# Altium PCB POVRotor.PcbDoc (part 1 of 2) (continued)
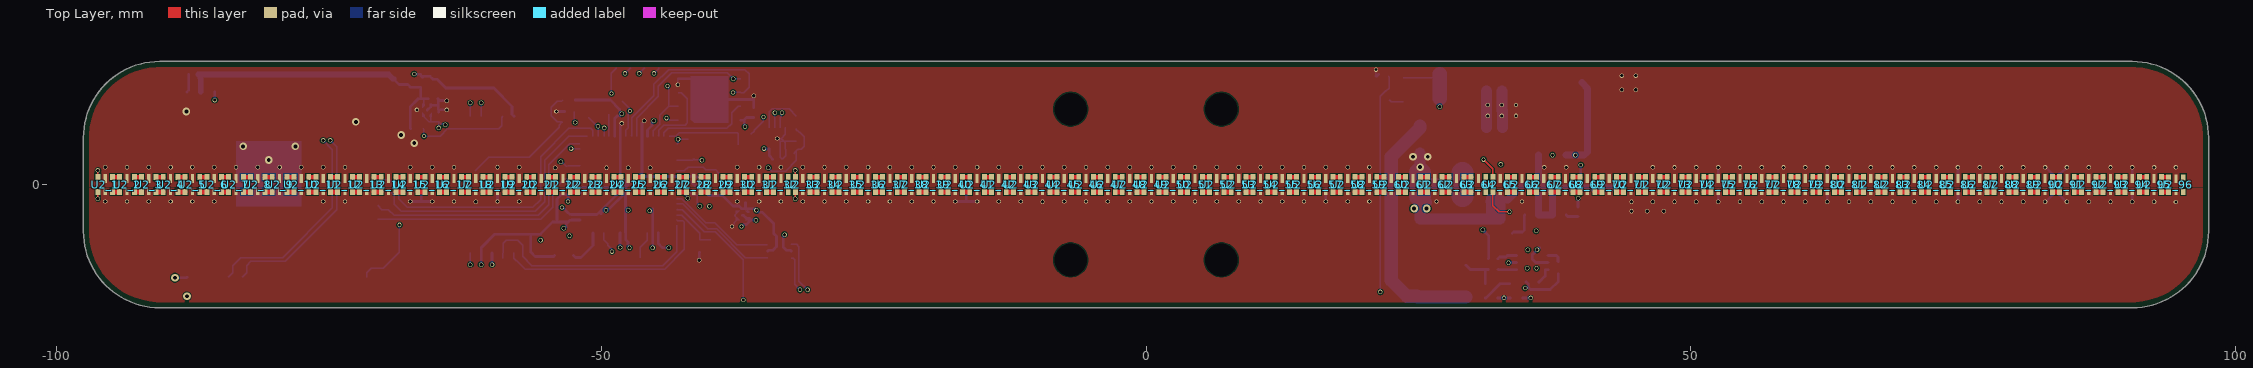
[diagram p0: Top Layer view]
## Components (designator, comment, footprint, x,y, rotation, side; value= is the part's Value field where it differs from the comment) (continued)
U2_55 "APA 102 2020" LED_APA-102-1515 12.5,0 r180 top (schematic designator U2)
U2_56 "APA 102 2020" LED_APA-102-1515 14.5,0 r180 top (schematic designator U2)
U2_57 "APA 102 2020" LED_APA-102-1515 16.5,0 r180 top (schematic designator U2)
U2_58 "APA 102 2020" LED_APA-102-1515 18.5,0 r180 top (schematic designator U2)
U2_59 "APA 102 2020" LED_APA-102-1515 20.5,0 r180 top (schematic designator U2)
U2_60 "APA 102 2020" LED_APA-102-1515 22.5,0 r180 top (schematic designator U2)
U2_61 "APA 102 2020" LED_APA-102-1515 24.5,0 r180 top (schematic designator U2)
U2_62 "APA 102 2020" LED_APA-102-1515 26.5,0 r180 top (schematic designator U2)
U2_63 "APA 102 2020" LED_APA-102-1515 28.5,0 r180 top (schematic designator U2)
U2_64 "APA 102 2020" LED_APA-102-1515 30.5,0 r180 top (schematic designator U2)
U2_65 "APA 102 2020" LED_APA-102-1515 32.5,0 r180 top (schematic designator U2)
U2_66 "APA 102 2020" LED_APA-102-1515 34.5,0 r180 top (schematic designator U2)
U2_67 "APA 102 2020" LED_APA-102-1515 36.5,0 r180 top (schematic designator U2)
U2_68 "APA 102 2020" LED_APA-102-1515 38.5,0 r180 top (schematic designator U2)
U2_69 "APA 102 2020" LED_APA-102-1515 40.5,0 r180 top (schematic designator U2)
U2_70 "APA 102 2020" LED_APA-102-1515 42.5,0 r180 top (schematic designator U2)
U2_71 "APA 102 2020" LED_APA-102-1515 44.5,0 r180 top (schematic designator U2)
U2_72 "APA 102 2020" LED_APA-102-1515 46.5,0 r180 top (schematic designator U2)
U2_73 "APA 102 2020" LED_APA-102-1515 48.5,0 r180 top (schematic designator U2)
U2_74 "APA 102 2020" LED_APA-102-1515 50.5,0 r180 top (schematic designator U2)
U2_75 "APA 102 2020" LED_APA-102-1515 52.5,0 r180 top (schematic designator U2)
U2_76 "APA 102 2020" LED_APA-102-1515 54.5,0 r180 top (schematic designator U2)
U2_77 "APA 102 2020" LED_APA-102-1515 56.5,0 r180 top (schematic designator U2)
U2_78 "APA 102 2020" LED_APA-102-1515 58.5,0 r180 top (schematic designator U2)
U2_79 "APA 102 2020" LED_APA-102-1515 60.5,0 r180 top (schematic designator U2)
U2_80 "APA 102 2020" LED_APA-102-1515 62.5,0 r180 top (schematic designator U2)
U2_81 "APA 102 2020" LED_APA-102-1515 64.5,0 r180 top (schematic designator U2)
U2_82 "APA 102 2020" LED_APA-102-1515 66.5,0 r180 top (schematic designator U2)
U2_83 "APA 102 2020" LED_APA-102-1515 68.5,0 r180 top (schematic designator U2)
U2_84 "APA 102 2020" LED_APA-102-1515 70.5,0 r180 top (schematic designator U2)
U2_85 "APA 102 2020" LED_APA-102-1515 72.5,0 r180 top (schematic designator U2)
U2_86 "APA 102 2020" LED_APA-102-1515 74.5,0 r180 top (schematic designator U2)
U2_87 "APA 102 2020" LED_APA-102-1515 76.5,0 r180 top (schematic designator U2)
U2_88 "APA 102 2020" LED_APA-102-1515 78.5,0 r180 top (schematic designator U2)
U2_89 "APA 102 2020" LED_APA-102-1515 80.5,0 r180 top (schematic designator U2)
U2_90 "APA 102 2020" LED_APA-102-1515 82.5,0 r180 top (schematic designator U2)
U2_91 "APA 102 2020" LED_APA-102-1515 84.5,0 r180 top (schematic designator U2)
U2_92 "APA 102 2020" LED_APA-102-1515 86.5,0 r180 top (schematic designator U2)
U2_93 "APA 102 2020" LED_APA-102-1515 88.5,0 r180 top (schematic designator U2)
U2_94 "APA 102 2020" LED_APA-102-1515 90.5,0 r180 top (schematic designator U2)
U2_95 "APA 102 2020" LED_APA-102-1515 92.5,0 r180 top (schematic designator U2)
U2_96 "APA 102 2020" LED_APA-102-1515 94.5,-0.025 r180 top (schematic designator U2)
U3 "TC7PZ17FU" SOT-363 -33.6,-6.1 r270 bottom
U4 "RT6285GSP" "8-SOIC Richtek" 36.65,-0.05 r0 bottom
U5 "ESP32" "Espressif ESP32-WROOM-32" -80.49,0 r270 bottom
U5_1 "3.3V LDO" XDFN-4 -65.96,6.82 r270 bottom (schematic designator U5)
U5_2 "3.3V LDO" XDFN-4 -37.02,-2.825 r180 bottom (schematic designator U5)
U6 "MIC4127YML" "VDFN-8 3x3x0.9" 35.437,-6.838 r180 bottom
U7 "INA2180A3IDSGR" SON50P200X200X80-9N -33.825,4.225 r270 bottom
U8 "W25Q128JVPIQ" "WSON-8 6x5 Winbond" -40.05,7.8 r0 bottom
Y1 "27MHz" "ABRACON ASD" -53.4,-5.85 r0 bottom

## Footprints (in the part's own frame and the unit in brackets; to place one, negate y for a bottom-side part, rotate by r counter-clockwise, add the part's x,y. Pads: shape width x height; smd on the part's side, far side on the other; paste and mask are expansions set on the pad)
"8-SOIC Richtek" [mm]
  rrect25% 0.7x1.3 smd: 1(1.905,2.75) 2(0.635,2.75) 3(-0.635,2.75) 4(-1.905,2.75) 5(-1.905,-2.75) 6(-0.635,-2.75) 7(0.635,-2.75) 8(1.905,-2.75)
  rect 3.4x2.4 smd paste-3: 9(0,0)
  silkscreen extent -2.51,-2.4 2.7,3.6, body extent -2.45,-3 2.45,3, height 1
"ABRACON ASD" [mm] "Crystal, 4-Leads, Body 2.00x2.45mm, Pitch 1.65mm, IPC Medium Density"
  rect 0.9x0.8 smd: 1(-0.865,-0.665) 2(0.865,-0.665) 3(0.865,0.665) 4(-0.865,0.665)
  silkscreen extent -1.75,-1.55 1.6,1.4, body extent -1.27,-1.02 1.28,1.03, height 1
"CAP 0402_1005" [mm] "Chip Capacitor, 2-Leads, Body 1.02x0.51mm, IPC Medium Density"
  rect 0.6x0.64 smd: 1(-0.44,0) 2(0.44,0)
  silkscreen extent -1,-0.5 1,0.5, body extent -0.5,-0.26 0.5,0.26, height 0.52
"CAP 0603_1608" [mm] "Chip Capacitor, 2-Leads, Body 1.60x0.80mm, IPC Medium Density"
  rect 0.9x1 smd: 1(-0.675,0) 2(0.675,0)
  silkscreen extent -1.4,-0.7 1.4,0.7, body extent -0.8,-0.41 0.8,0.41, height 0.82
"CAP 0805_2012" [mm] "Chip Capacitor, 2-Leads, Body 2.00x1.20mm, IPC Medium Density"
  rect 1.3x1.4 smd: 1(-0.8,0) 2(0.8,0)
  silkscreen extent -1.7,-0.9 1.7,0.9, body extent -1,-0.64 1,0.64, height 1.26
"CAP 1206_3216 - 0.8MM" [mm] "Chip Capacitor, 2-Leads, Body 3.25x1.60mm, IPC Medium Density"
  rect 1.3x1.8 smd: 1(-1.45,0) 2(1.45,0)
  silkscreen extent -2.37,-1.12 2.37,1.12, body extent -1.6,-0.8 1.6,0.8, height 0.8
"CAP 1210_3225 - 1MM" [mm] "Chip Capacitor, 2-Leads, Body 3.20x2.50mm, IPC Medium Density"
  rect 1.3x2.7 smd: 1(-1.4,0) 2(1.4,0)
  silkscreen extent -2.37,-1.63 2.37,1.63, body extent -1.6,-1.25 1.6,1.25, height 1
"CAP ALSMD 6.6MM H6.1MM" [mm] "Aluminum Electrolytic Capacitor, Body 6.60x6.60x6.10mm, IPC Low Density"
  rect 3.2x1.6 smd: 1(-2.5,0) 2(2.5,0)
  silkscreen extent -3.3,-3.3 3.3,3.3, body extent -3.5,-3.3 3.5,3.3, height 6.1
"DO214AA SMB" [mm] "Molded Diode, 2-Leads, Body 4.31x3.62mm, IPC Medium Density"
  rect 2.45x2.15 smd: 1(-2.15,0) 2(2.15,0)
  silkscreen extent -3.6,-1.8 3.8,1.8, body extent -2.6,-1.8 2.6,1.8, height 2.4
"Espressif ESP32-WROOM-32" [mm] "39-SMD Module"
  rrect10% 2x0.9 smd paste+0 mask+0.05: 1(-8.5,7.51) 2(-8.5,6.24) 3(-8.5,4.97) 4(-8.5,3.7) 5(-8.5,2.43) 6(-8.5,1.16) 7(-8.5,-0.11) 8(-8.5,-1.38) 9(-8.5,-2.65) 10(-8.5,-3.92) 11(-8.5,-5.19) 12(-8.5,-6.46) 13(-8.5,-7.73) 14(-8.5,-9) 25(8.5,-9) 26(8.5,-7.73) 27(8.5,-6.46) 28(8.5,-5.19) 29(8.5,-3.92) 30(8.5,-2.65)
  rrect10% 0.9x2 smd paste+0 mask+0.05: 15(-5.715,-10) 16(-4.445,-10) 17(-3.175,-10) 18(-1.905,-10) 19(-0.635,-10) 20(0.635,-10) 21(1.905,-10) 22(3.175,-10) 23(4.445,-10) 24(5.715,-10)
  rect 2x0.9 smd paste+0 mask+0.05: 31(8.5,-1.38) 32(8.5,-0.11) 33(8.5,1.16) 34(8.5,2.43) 35(8.5,3.7) 36(8.5,4.97) 37(8.5,6.24) 38(8.5,7.51)
  rect 1.33x1.33 smd paste+0 mask+0.05: 39(-2.835,-1.835) 39(-2.835,0) 39(-2.835,1.835) 39(-1,0) 39(-1,-1.835) 39(-1,1.835) 39(0.835,-1.835) 39(0.835,0) 39(0.835,1.835)
  Top Layer region: -4.001,3 1.999,3 1.999,-3 -4.001,-3
  silkscreen extent -10.71,-10.5 9,15, body extent -9,-10.5 9,15, height 3.2
"JST SM05B-SRSS-TB" [mm] "1.0mm pitch/Disconnectable Crimp style connector"
  rect 0.6x1.55 smd: 1(-2,-2.032) 2(-1,-2.032) 3(0,-2.032) 4(1,-2.032) 5(2,-2.032)
  rect 1.2x1.8 smd: M(-3.3,1.843) M(3.3,1.843)
  silkscreen extent -3.53,-2.41 3.53,2.54, body extent -3.5,-2.38 3.5,2.57, height 2.95
"LED 0603_1608 RED" [mm] "Chip Diode, 2-Leads, Body 1.60x0.80mm, IPC Medium Density"
  rect 0.8x0.8 smd: 1(-0.75,0) 2(0.75,0)
  silkscreen extent -1.52,-0.7 1.52,0.7, body extent -0.8,-0.4 0.8,0.4, height 0.53
LED_APA-102-1515 [mm]
  rect 0.3x0.8 smd: 1(0,-0.55)
  rect 0.45x0.55 smd: 2(-0.675,-0.675) 3(-0.675,0.675) 5(0.675,0.675) 6(0.675,-0.675)
  rect 0.3x0.55 smd: 4(0,0.675)
  body extent -0.8,-0.8 0.8,0.8, height 0.9
MPL-AL5050-5R6 [mm]
  rect 1.25x4.7 smd: 1(-1.625,0) 2(1.625,0)
  silkscreen extent -2.75,-2.8 2.75,2.8, body extent -2.75,-2.65 2.75,2.65, height 4.8
QFN50P900X900X100-65N [mm]
  rect 0.86x0.26 smd: 1(-4.435,3.75) 2(-4.435,3.25) 3(-4.435,2.75) 4(-4.435,2.25) 5(-4.435,1.75) 6(-4.435,1.25) 7(-4.435,0.75) 8(-4.435,0.25) 9(-4.435,-0.25) 10(-4.435,-0.75) 11(-4.435,-1.25) 12(-4.435,-1.75) 13(-4.435,-2.25) 14(-4.435,-2.75) 15(-4.435,-3.25) 16(-4.435,-3.75) 33(4.435,-3.75) 34(4.435,-3.25) 35(4.435,-2.75) 36(4.435,-2.25) 37(4.435,-1.75) 38(4.435,-1.25) 39(4.435,-0.75) 40(4.435,-0.25) 41(4.435,0.25) 42(4.435,0.75) 43(4.435,1.25) 44(4.435,1.75) 45(4.435,2.25) 46(4.435,2.75) 47(4.435,3.25) 48(4.435,3.75)
  rect 0.26x0.86 smd: 17(-3.75,-4.435) 18(-3.25,-4.435) 19(-2.75,-4.435) 20(-2.25,-4.435) 21(-1.75,-4.435) 22(-1.25,-4.435) 23(-0.75,-4.435) 24(-0.25,-4.435) 25(0.25,-4.435) 26(0.75,-4.435) 27(1.25,-4.435) 28(1.75,-4.435) 29(2.25,-4.435) 30(2.75,-4.435) 31(3.25,-4.435) 32(3.75,-4.435) 49(3.75,4.435) 50(3.25,4.435) 51(2.75,4.435) 52(2.25,4.435) 53(1.75,4.435) 54(1.25,4.435) 55(0.75,4.435) 56(0.25,4.435) 57(-0.25,4.435) 58(-0.75,4.435) 59(-1.25,4.435) 60(-1.75,4.435) 61(-2.25,4.435) 62(-2.75,4.435) 63(-3.25,4.435) 64(-3.75,4.435)
  rect 6x6 smd: 65(0,0)
  silkscreen extent -5.6,-4.5 4.5,4.5, body extent -4.52,-4.52 4.52,4.52, height 0.9
"RES 0402_1005" [mm] "Chip Resistor, 2-Leads, Body 1.0x0.5mm, IPC Medium Density"
  rect 0.75x0.6 smd: 1(-0.575,0) 2(0.575,0)
  silkscreen extent -1.14,-0.51 1.14,0.51, body extent -0.5,-0.25 0.5,0.25, height 0.35
"RES 0805_2012" [mm] "Chip Resistor, 2-Leads, Body 2.00x1.25mm, IPC Medium Density"
  rect 1.15x1.35 smd: 1(-0.875,0) 2(0.875,0)
  silkscreen extent -1.7,-0.9 1.7,0.9, body extent -1,-0.62 1,0.63, height 0.6
SOD323 [mm] "SOD, 2-Leads, Body 1.25x2.50mm, IPC Medium Density"
  rect 0.625x0.83 smd: 1(-1.112,0) 2(1.112,0)
  silkscreen extent -1.78,-0.8 1.78,0.8, body extent -1.36,-0.63 1.36,0.62, height 1.05
SON50P200X200X80-9N [mm]
  rrect25% 0.74x0.28 smd: 1(-0.985,0.75) 2(-0.985,0.25) 3(-0.985,-0.25) 4(-0.985,-0.75) 5(0.985,-0.75) 6(0.985,-0.25) 7(0.985,0.25) 8(0.985,0.75)
  rect 0.9x1.6 smd paste-2: 9(0,0)
  silkscreen extent -2.02,-1.21 1,1.21, body extent -1,-1 1,1, height 0.75
SOT-363 [mm]
  rect 0.4x0.75 smd: 1(-0.65,-1.05) 2(0,-1.05) 3(0.65,-1.05) 4(0.65,1.05) 5(0,1.05) 6(-0.65,1.05)
  silkscreen extent -1.39,-1.14 -1.21,-0.96, body extent -1,-1.05 1,1.05, height 1
TP [mm]
  round 1.75 smd: 1(0.05,0)
  silkscreen extent -0.87,-0.87 0.87,0.87
"TP  0.8mm" [mm]
  round 0.8 smd: 1(0,0)
"VDFN-8 3x3x0.9" [mm]
  rrect25% 0.85x0.3 smd: 1(-1.45,0.975) 2(-1.45,0.325) 3(-1.45,-0.325) 4(-1.45,-0.975) 5(1.45,-0.975) 6(1.45,-0.325) 7(1.45,0.325) 8(1.45,0.975)
  rect 1.6x2.35 smd paste-2: 9(0,0)
  silkscreen extent -2.36,-1.6 1,1.6, body extent -1.5,-1.5 1.5,1.5, height 0.9
"WSON-8 6x5 Winbond" [mm]
  rect 0.96x0.44 smd: 1(-2.875,1.905) 2(-2.875,0.635) 3(-2.875,-0.635) 4(-2.875,-1.905) 5(2.875,-1.905) 6(2.875,-0.635) 7(2.875,0.635) 8(2.875,1.905)
  round 0.025 smd: 9(0,0)
  Top Layer region: -1.409,2.15 -1.7,1.859 -1.7,-2.15 1.7,-2.15 1.7,2.15
  silkscreen extent -3.4,-2.6 2.5,2.7, body extent -3,-2.5 3,2.5, height 0.8
XDFN-4 [mil]
  round 1 smd mask+2.56: 1(-16.93,12.79) 2(-16.93,-12.79) 3(16.93,-12.79) 4(16.93,12.79)
  rect 18.9x18.9 smd rot 135 mask+2.56: 5(0,0)
  Top Layer region: -16.93,8.65 -9.84,15.75 -9.84,16.93 -24.02,16.93 -24.02,8.65
  Top Layer region: -16.93,-8.65 -9.84,-15.75 -9.84,-16.93 -24.02,-16.93 -24.02,-8.65
  Top Layer region: 16.93,8.65 9.84,15.75 9.84,16.93 24.02,16.93 24.02,8.65
  Top Layer region: 16.93,-8.65 9.84,-15.75 9.84,-16.93 24.02,-16.93 24.02,-8.65
  silkscreen extent -31,-20 20,20, body extent -20,-20 20,20, height 16

## Part data
C1 C2 C3 C4 C5 C6 C7 C18 C19 C21 C22 C23 C25 C26 C27 C28 C30: library part C1005X5R1E104K050BC, "CAP CER 0.1UF 25V X5R 0402", Device Package="0402 (1005 Metric)", Manufacturer="TDK Corporation", Operating Temperature="-55°C ~ 85°C", Supplier Part Number 1=445-4964-1-ND, Temperature Coefficient=X5R, Tolerance=±10%, Voltage - Rated=25V, Applications="General Purpose", Capacitance="0.1 µF", ComponentLink1Description=Datasheet, ComponentLink1URL=https://product.tdk.com/info/en/catalog/datasheets/mlcc_commercial_general_en.pdf?ref_disty=digikey, ComponentLink2Description="DigiKey Link", ComponentLink2URL=https://www.digikey.com/en/products/detail/tdk-corporation/C1005X5R1E104K050BC/2093232, Features="Low ESL", LastUpdated="9/24/2023 7:03:59 PM", Lifecycle Status=Active, Minimum Order=1, Mounting Type="Surface Mount, MLCC", Package / Case="0402 (1005 Metric)", Packaging=TapeAndReel, Part Number=C1005X5R1E104K050BC, Part Status=Active, PartId=34396, Price=0.01, Series=C, Size / Dimension="0.039\" L x 0.020\" W (1.00mm x 0.50mm)", Supplier 1=DigiKey, Thickness (Max)="0.022\" (0.55mm)"
C8 C11 C15 C16 C17: library part C1206C223KBRAC7800, "CAP CER 0.022UF 630V X7R 1206", Capacitance="0.022 µF", Device Package="1206 (3216 Metric)", Manufacturer=KEMET, Operating Temperature="-55°C ~ 125°C", Supplier Part Number 1=399-15097-1-ND, Temperature Coefficient=X7R, Tolerance=±10%, Voltage - Rated=630V, Applications="General Purpose", ComponentLink1Description=Datasheet, ComponentLink1URL=https://api.kemet.com/component-edge/download/datasheet/C1206C223KBRAC7800.pdf, ComponentLink2Description="DigiKey Link", ComponentLink2URL=https://www.digikey.com/en/products/detail/kemet/C1206C223KBRAC7800/7382212, Features="Low ESL, High Voltage", LastUpdated="9/29/2023 7:15:32 PM", Lifecycle Status=Active, Minimum Order=1, Mounting Type="Surface Mount, MLCC", Package / Case="1206 (3216 Metric)", Packaging=TapeAndReel, Part Number=C1206C223KBRAC7800, Part Status=Active, PartId=40769, Price=0.05, Series="SMD Comm X7R HV", Size / Dimension="0.126\" L x 0.063\" W (3.20mm x 1.60mm)", Supplier 1=DigiKey, Thickness (Max)="0.075\" (1.90mm)"
C9_1 C9_2 C10_1 C10_2: library part C0402C104K4RACAUTO, "CAP CER 0.1UF 16V X7R 0402", Capacitance="0.1 µF", Device Package="0402 (1005 Metric)", Manufacturer=KEMET, Operating Temperature="-55°C ~ 125°C", Ratings=AEC-Q200, Supplier Part Number 1=399-6828-1-ND, Temperature Coefficient=X7R, Tolerance=±10%, Voltage - Rated=16V, Applications="Automotive, Bypass, Decoupling", ComponentLink1Description=Datasheet, ComponentLink1URL=https://api.kemet.com/component-edge/download/specsheet/C0402C104K4RACAUTO.pdf, ComponentLink2Description="DigiKey Link", ComponentLink2URL=https://www.digikey.com/en/products/detail/kemet/C0402C104K4RACAUTO/3314827, LastUpdated="8/14/2022 9:05:51 PM", Lifecycle Status=Active, Minimum Order=1, Mounting Type="Surface Mount, MLCC", Package / Case="0402 (1005 Metric)", Packaging=TapeAndReel, Part Number=C0402C104K4RACAUTO, Part Status=Active, PartId=3024, Price=0.01, Series="SMD Auto X7R", Size / Dimension="0.039\" L x 0.020\" W (1.00mm x 0.50mm)", Supplier 1=DigiKey, Thickness (Max)="0.022\" (0.55mm)"
C12 C14 C33 C60 C61: library part 0603ZD226MAT2A, "CAP CER 22UF 10V X5R 0603", Device Package="0603 (1608 Metric)", Manufacturer="KYOCERA AVX", Operating Temperature="-55°C ~ 85°C", Supplier Part Number 1=478-0603ZD226MAT2ACT-ND, Temperature Coefficient=X5R, Tolerance=±20%, Voltage - Rated=10V, Applications="General Purpose", Capacitance="22 µF", ComponentLink2Description="DigiKey Link", ComponentLink2URL=https://www.digikey.com/en/products/detail/kyocera-avx/0603ZD226MAT2A/11268185, LastUpdated="9/24/2023 7:08:40 PM", Lifecycle Status=Active, Minimum Order=1, Mounting Type="Surface Mount, MLCC", Package / Case="0603 (1608 Metric)", Packaging=TapeAndReel, Part Number=0603ZD226MAT2A, Part Status=Active, PartId=35789, Price=0.13, Series=-, Size / Dimension="0.063\" L x 0.032\" W (1.60mm x 0.81mm)", Supplier 1=DigiKey, Thickness (Max)="0.035\" (0.90mm)"
C13: library part EMHL160ARA470MF61G, "ALUMINUM CAPACITOR", Device Package="Radial, Can - SMD", ESR (Equivalent Series Resistance)="1.2Ohm @ 100kHz", Lifetime @ Temp.="2000 Hrs @ 125°C", Manufacturer="United Chemi-Con", Operating Temperature="-40°C ~ 125°C", Ratings=AEC-Q200, Ripple Current @ High Frequency="110mA @ 100kHz", Ripple Current @ Low Frequency="102.3mA @ 120Hz", Supplier Part Number 1=565-EMHL160ARA470MF61GCT-ND, Tolerance=±20%, Voltage - Rated=16V, Applications=Automotive, Capacitance=47µF, ComponentLink1Description=Datasheet, ComponentLink1URL=http://www.chemi-con.co.jp/cgi-bin/CAT_DB/SEARCH/cat_db_al.cgi?e=e&j=p&pdfname=mhl, ComponentLink2Description="DigiKey Link", ComponentLink2URL=http://digikey.com/product-detail/en/united-chemi-con/EMHL160ARA470MF61G/565-EMHL160ARA470MF61GCT-ND/10487181, Height - Seated (Max)="0.240\" (6.10mm)", LastUpdated="9/2/2020 1:25:27 AM", Lifecycle Status=Active, Minimum Order=1, Mounting Type="Surface Mount", Package / Case="Radial, Can - SMD", Packaging=TapeAndReel, Part Number=EMHL160ARA470MF61G, Part Status=Active, PartId=8133, Polarization=Polar, Price=0.15, Series="AIchip™- MHL", Size / Dimension="0.248\" Dia (6.30mm)", Supplier 1=DigiKey, Surface Mount Land Size="0.260\" L x 0.260\" W (6.60mm x 6.60mm)"
C20: library part C0402C104K4RACAUTO, "CAP CER 0.1UF 16V X7R 0402", Device Package="0402 (1005 Metric)", Manufacturer=KEMET, Operating Temperature="-55°C ~ 125°C", Ratings=AEC-Q200, Supplier Part Number 1=399-6828-1-ND, Temperature Coefficient=X7R, Tolerance=±10%, Voltage - Rated=16V, Applications="Automotive, Bypass, Decoupling", Capacitance="0.1 µF", ComponentLink1Description=Datasheet, ComponentLink1URL=https://api.kemet.com/component-edge/download/specsheet/C0402C104K4RACAUTO.pdf, ComponentLink2Description="DigiKey Link", ComponentLink2URL=https://www.digikey.com/en/products/detail/kemet/C0402C104K4RACAUTO/3314827, LastUpdated="8/14/2022 9:05:51 PM", Lifecycle Status=Active, Minimum Order=1, Mounting Type="Surface Mount, MLCC", Package / Case="0402 (1005 Metric)", Packaging=TapeAndReel, Part Number=C0402C104K4RACAUTO, Part Status=Active, PartId=3024, Price=0.01, Series="SMD Auto X7R", Size / Dimension="0.039\" L x 0.020\" W (1.00mm x 0.50mm)", Supplier 1=DigiKey, Thickness (Max)="0.022\" (0.55mm)"
C24: library part CL21A226MOQNNNE, "CAP CER 22UF 16V X5R 0805", Device Package="0805 (2012 Metric)", Manufacturer="Samsung Electro-Mechanics", Operating Temperature="-55°C ~ 85°C", Supplier Part Number 1=1276-2909-1-ND, Temperature Coefficient=X5R, Tolerance=±20%, Voltage - Rated=16V, Applications="General Purpose", Capacitance=22µF, ComponentLink1Description=Datasheet, ComponentLink1URL=http://www.samsungsem.com/kr/support/product-search/mlcc/CL21A226MOQNNNE.jsp, ComponentLink2Description="DigiKey Link", ComponentLink2URL=http://digikey.com/product-detail/en/samsung-electro-mechanics/CL21A226MOQNNNE/1276-2909-1-ND/3890995, LastUpdated="21-Jan-20 12:03:05 AM", Lifecycle Status=Active, Minimum Order=1, Mounting Type="Surface Mount, MLCC", Package / Case="0805 (2012 Metric)", Packaging=TapeAndReel, Part Number=CL21A226MOQNNNE, Part Status=Active, PartId=3052, Price=0.11, Series=CL, Size / Dimension="0.079\" L x 0.049\" W (2.00mm x 1.25mm)", Supplier 1=DigiKey, Thickness (Max)="0.055\" (1.40mm)"
C29 C31: library part C1005X5R1E104K050BC, "CAP CER 0.1UF 25V X5R 0402", Capacitance="0.1 µF", Device Package="0402 (1005 Metric)", Manufacturer="TDK Corporation", Operating Temperature="-55°C ~ 85°C", Supplier Part Number 1=445-4964-1-ND, Temperature Coefficient=X5R, Tolerance=±10%, Voltage - Rated=25V, Applications="General Purpose", ComponentLink1Description=Datasheet, ComponentLink1URL=https://product.tdk.com/info/en/catalog/datasheets/mlcc_commercial_general_en.pdf?ref_disty=digikey, ComponentLink2Description="DigiKey Link", ComponentLink2URL=https://www.digikey.com/en/products/detail/tdk-corporation/C1005X5R1E104K050BC/2093232, Features="Low ESL", LastUpdated="9/24/2023 7:03:59 PM", Lifecycle Status=Active, Minimum Order=1, Mounting Type="Surface Mount, MLCC", Package / Case="0402 (1005 Metric)", Packaging=TapeAndReel, Part Number=C1005X5R1E104K050BC, Part Status=Active, PartId=34396, Price=0.01, Series=C, Size / Dimension="0.039\" L x 0.020\" W (1.00mm x 0.50mm)", Supplier 1=DigiKey, Thickness (Max)="0.022\" (0.55mm)"
C32: library part C1210X106K050T, "CAP CER 10UF 50V X7R 1210", Device Package="1210 (3225 Metric)", Manufacturer="Holy Stone Enterprise Co., Ltd.", Operating Temperature="-55°C ~ 125°C", Supplier Part Number 1=4587-C1210X106K050TCT-ND, Temperature Coefficient=X7R, Tolerance=±10%, Voltage - Rated=50V, Applications="SMPS Filtering", Capacitance="10 µF", ComponentLink1Description=Datasheet, ComponentLink1URL=https://www.holystonecaps.com/PDF/201612051328350.2017%20HCC%20Series.pdf, ComponentLink2Description="DigiKey Link", ComponentLink2URL=https://www.digikey.com/en/products/detail/holy-stone-enterprise-co-ltd/C1210X106K050T/16894866, LastUpdated="10/13/2023 7:36:52 PM", Lifecycle Status=Active, Minimum Order=1, Mounting Type="Surface Mount, MLCC", Package / Case="1210 (3225 Metric)", Packaging=TapeAndReel, Part Number=C1210X106K050T, Part Status=Active, PartId=39935, Price=0.23, Series=HCC, Size / Dimension="0.126\" L x 0.098\" W (3.20mm x 2.50mm)", Supplier 1=DigiKey, Thickness (Max)="0.087\" (2.20mm)"
C50 C51 C52 C53 C54 C55 C56: library part GRM155R61C105MA12D, "CAP CER 1UF 16V X5R 0402", Device Package="0402 (1005 Metric)", Manufacturer="Murata Electronics", Operating Temperature="-55°C ~ 85°C", Supplier Part Number 1=490-14599-1-ND, Temperature Coefficient=X5R, Tolerance=±20%, Voltage - Rated=16V, Applications="General Purpose", Capacitance="1 µF", ComponentLink1Description=Datasheet, ComponentLink1URL=https://search.murata.co.jp/Ceramy/image/img/A01X/G101/ENG/GRM155R61C105MA12-01.pdf, ComponentLink2Description="DigiKey Link", ComponentLink2URL=https://www.digikey.com/en/products/detail/murata-electronics/GRM155R61C105MA12D/4905131, LastUpdated="9/24/2023 7:04:06 PM", Lifecycle Status=Active, Minimum Order=1, Mounting Type="Surface Mount, MLCC", Package / Case="0402 (1005 Metric)", Packaging=TapeAndReel, Part Number=GRM155R61C105MA12D, Part Status=Active, PartId=10295, Price=0.01, Series=GRM, Size / Dimension="0.039\" L x 0.020\" W (1.00mm x 0.50mm)", Supplier 1=DigiKey, Thickness (Max)="0.022\" (0.55mm)"
D1 D7: library part NSVRB751V40T1G, "DIODE SCHOTTKY 30V 30MA SOD323", Capacitance @ Vr, F="2.5pF @ 1V, 1MHz", Current - Average Rectified (Io)="30mA (DC)", Current - Reverse Leakage @ Vr="500nA @ 30V", Manufacturer="ON Semiconductor", Operating Temperature - Junction="-55°C ~ 150°C", Package / Case="SC-76, SOD-323", Supplier Device Package=SOD-323, Supplier Part Number 1=NSVRB751V40T1GOSCT-ND, Voltage - DC Reverse (Vr) (Max)=40V, Voltage - Forward (Vf) (Max) @ If="370mV @ 1mA", ComponentLink1Description=Datasheet, ComponentLink1URL=https://www.onsemi.com/pub/Collateral/RB751V40T1-D.PDF, ComponentLink2Description="DigiKey Link", ComponentLink2URL=http://digikey.com/product-detail/en/on-semiconductor/NSVRB751V40T1G/NSVRB751V40T1GOSCT-ND/5969287, Diode Type=Schottky, LastUpdated="9/30/2023 8:39:46 PM", Lifecycle Status=Active, Minimum Order=1, Mounting Type="Surface Mount", Packaging=TapeAndReel, Part Number=NSVRB751V40T1G, Part Status=Active, PartId=3084, Price=0.12, Series="Automotive, AEC-Q101", Speed="Small Signal =< 200mA (Io), Any Speed", Supplier 1=DigiKey
D2 D3 D4 D5 D8: "DIODE SCHOTTKY 40V 3A SMB", Current - Average Rectified (Io)=3A, Current - Reverse Leakage @ Vr="20µA @ 40V", Manufacturer=STMicroelectronics, Operating Temperature - Junction="-40°C ~ 150°C", Package / Case="DO-214AA, SMB", Supplier Device Package=SMB, Supplier Part Number 1=497-13432-1-ND, Voltage - DC Reverse (Vr) (Max)=40V, Voltage - Forward (Vf) (Max) @ If="630mV @ 3A", ComponentLink1Description=Datasheet, ComponentLink1URL=http://www.st.com/content/ccc/resource/technical/document/datasheet/9d/f4/fa/9f/2c/39/45/91/CD00270569.pdf/files/CD00270569.pdf/jcr:content/translations/en.CD00270569.pdf, ComponentLink2Description="DigiKey Link", ComponentLink2URL=http://digikey.com/product-detail/en/stmicroelectronics/STPS340UY/497-13432-1-ND/3770079, Diode Type=Schottky, LastUpdated="9/2/2020 1:18:53 AM", Lifecycle Status=Active, Minimum Order=1, Mounting Type="Surface Mount", Packaging=TapeAndReel, Part Number=STPS340UY, Part Status=Active, PartId=1402, Price=0.30, Series="Automotive, AEC-Q101", Speed="Fast Recovery =< 500ns, > 200mA (Io)", Supplier 1=DigiKey
D6: library part 5988010107F, "LED RED CLEAR 0603 SMD", Current - Test=20mA, Device Package="0603 (1608 Metric)", Lens Color=Colorless, Manufacturer=Dialight, Millicandela Rating=60mcd, Supplier Device Package=0603, Supplier Part Number 1=350-2029-1-ND, Voltage - Forward (Vf) (Typ)=2V, Color=Red, ComponentLink1Description=Datasheet, ComponentLink1URL=//media.digikey.com/pdf/Data%20Sheets/Dialight%20PDFs/598_Series_0603_Pkg.pdf, ComponentLink2Description="DigiKey Link", ComponentLink2URL=https://www.digikey.com/en/products/detail/dialight/5988010107F/1291263, Configuration=Standard, Height (Max)=0.70mm, LastUpdated="9/30/2023 8:22:05 PM", Lens Size="1.10mm x 0.80mm", Lens Style="Rectangle with Flat Top", Lens Transparency=Clear, Lifecycle Status=Active, Minimum Order=1, Mounting Type="Surface Mount", Package / Case="0603 (1608 Metric)", Packaging=TapeAndReel, Part Number=5988010107F, Part Status=Active, PartId=460, Price=0.05, Series=598, Size / Dimension="1.60mm L x 0.80mm W", Supplier 1=DigiKey, Viewing Angle=140°, Wavelength - Dominant=635nm
J1 J2: "CONN HEADER SMD R/A 5POS 1MM", Current Rating (Amps)=0.7A, Insulation Color=Natural, Manufacturer="JST Sales America Inc.", Material Flammability Rating="UL94 V-0", Operating Temperature="-25°C ~ 85°C", Supplier Part Number 1=455-1805-1-ND, Voltage Rating=50V, ComponentLink1Description=Datasheet, ComponentLink1URL=http://www.jst-mfg.com/product/pdf/eng/eSH.pdf, ComponentLink2Description="DigiKey Link", ComponentLink2URL=http://digikey.com/product-detail/en/jst-sales-america-inc/SM05B-SRSS-TB-LF-SN/455-1805-1-ND/926876, Connector Type=Header, Contact Finish - Mating=Tin, Contact Finish - Post=Tin, Contact Material="Copper Alloy", Contact Shape=Square, Contact Type="Male Pin", Fastening Type=Push-Pull, Features="Solder Retention", Insulation Height="0.114\" (2.90mm)", Insulation Material="Polyamide (PA), Nylon", LastUpdated="1/12/2020 11:42:04 PM", Lifecycle Status=Active, Minimum Order=1, Mounting Type="Surface Mount, Right Angle", Number of Positions=5, Number of Positions Loaded=All, Number of Rows=1, Packaging=TapeAndReel, Part Number=SM05B-SRSS-TB(LF)(SN), Part Status=Active, PartId=63, Pitch - Mating="0.039\" (1.00mm)", Price=0.32, Series=SR, Shrouding="Shrouded - 4 Wall", Style="Board to Cable/Wire", Supplier 1=DigiKey, Termination=Solder
L1: "FIXED IND 5.6UH 6.8A 20 MOHM SMD", Package="Molded-2 Laird", Availability="In Stock", Check_prices=https://www.snapeda.com/parts/MGV05021R0M-10/Laird/view-part/5881352/?ref=eda, MF="Laird-Signal Integrity Products", MP=MGV05021R0M-10, Price=None, Purchase-URL=https://pricing.snapeda.com/search/part/MGV05021R0M-10/?ref=eda, SnapEDA_Link=https://www.snapeda.com/parts/MGV05021R0M-10/Laird/view-part/5881352/?ref=snap
R1 R5 R9 R11 R15: library part CRCW040210K0DHEDP, "RES SMD 10K OHM 0.5% 1/16W 0402", Device Package="0402 (1005 Metric)", Manufacturer="Vishay Dale", Operating Temperature="-55°C ~ 155°C", Power (Watts)="0.063W, 1/16W", Ratings=AEC-Q200, Supplier Device Package=0402, Supplier Part Number 1=541-10KAVCT-ND, Temperature Coefficient=±50ppm/°C, Tolerance=±0.5%, ComponentLink1Description=Datasheet, ComponentLink1URL=http://www.vishay.com/docs/20036/dcrcwpe3.pdf, ComponentLink2Description="DigiKey Link", ComponentLink2URL=https://www.digikey.com/en/products/detail/vishay-dale/CRCW040210K0DHEDP/3593893, Composition="Thick Film", Features="Automotive AEC-Q200", Height - Seated (Max)="0.016\" (0.40mm)", LastUpdated="9/24/2023 7:25:38 PM", Lifecycle Status=Active, Minimum Order=1, Number of Terminations=2, Package / Case="0402 (1005 Metric)", Packaging=TapeAndReel, Part Number=CRCW040210K0DHEDP, Part Status=Active, PartId=5057, Price=0.03, Resistance="10 kOhms", Series=CRCW-P, Size / Dimension="0.039\" L x 0.020\" W (1.00mm x 0.50mm)", Supplier 1=DigiKey
R2 R4 R6: library part ESR01MZPJ224, "RES SMD 220K OHM 5% 1/5W 0402", Device Package="0402 (1005 Metric)", Manufacturer="Rohm Semiconductor", Operating Temperature="-55°C ~ 155°C", Power (Watts)="0.2W, 1/5W", Ratings=AEC-Q200, Resistance="220 kOhms", Supplier Device Package=0402, Supplier Part Number 1=RHM1016CT-ND, Temperature Coefficient=±200ppm/°C, Tolerance=±5%, ComponentLink1Description=Datasheet, ComponentLink1URL=https://www.rohm.com/datasheet/ESR01MZPF/esr-e, ComponentLink2Description="DigiKey Link", ComponentLink2URL=https://www.digikey.com/en/products/detail/rohm-semiconductor/ESR01MZPJ224/4051160, Composition="Thick Film", Features="Automotive AEC-Q200, Pulse Withstanding", Height - Seated (Max)="0.016\" (0.40mm)", LastUpdated="9/24/2023 7:24:59 PM", Lifecycle Status=Active, Minimum Order=1, Number of Terminations=2, Package / Case="0402 (1005 Metric)", Packaging=TapeAndReel, Part Number=ESR01MZPJ224, Part Status=Active, PartId=14678, Price=0.03, Series=ESR, Size / Dimension="0.039\" L x 0.020\" W (1.00mm x 0.50mm)", Supplier 1=DigiKey
R3 R7 R8 R13 R14 R16 R17 R18 R19 R21: library part RT0402DRE0730KL, "RES SMD 30K OHM 0.5% 1/16W 0402", Device Package="0402 (1005 Metric)", Manufacturer=Yageo, Operating Temperature="-55°C ~ 155°C", Power (Watts)="0.063W, 1/16W", Resistance="30 kOhms", Supplier Device Package=0402, Supplier Part Number 1=311-2271-1-ND, Temperature Coefficient=±50ppm/°C, Tolerance=±0.5%, ComponentLink1Description=Datasheet, ComponentLink1URL=https://www.yageo.com/upload/media/product/productsearch/datasheet/rchip/PYu-RT_1-to-0.01_RoHS_L_11.pdf, ComponentLink2Description="DigiKey Link", ComponentLink2URL=https://www.digikey.com/en/products/detail/yageo/RT0402DRE0730KL/1071471, Composition="Thin Film", Height - Seated (Max)="0.014\" (0.35mm)", LastUpdated="9/24/2023 7:25:39 PM", Lifecycle Status=Active, Minimum Order=1, Number of Terminations=2, Package / Case="0402 (1005 Metric)", Packaging=TapeAndReel, Part Number=RT0402DRE0730KL, Part Status=Active, PartId=4766, Price=0.02, Series=RT, Size / Dimension="0.039\" L x 0.020\" W (1.00mm x 0.50mm)", Supplier 1=DigiKey
R10 R12: library part CRCW040210K0DHEDP, "RES SMD 10K OHM 0.5% 1/16W 0402", Device Package="0402 (1005 Metric)", Manufacturer="Vishay Dale", Operating Temperature="-55°C ~ 155°C", Power (Watts)="0.063W, 1/16W", Ratings=AEC-Q200, Resistance="10 kOhms", Supplier Device Package=0402, Supplier Part Number 1=541-10KAVCT-ND, Temperature Coefficient=±50ppm/°C, Tolerance=±0.5%, ComponentLink1Description=Datasheet, ComponentLink1URL=http://www.vishay.com/docs/20036/dcrcwpe3.pdf, ComponentLink2Description="DigiKey Link", ComponentLink2URL=https://www.digikey.com/en/products/detail/vishay-dale/CRCW040210K0DHEDP/3593893, Composition="Thick Film", Features="Automotive AEC-Q200", Height - Seated (Max)="0.016\" (0.40mm)", LastUpdated="9/24/2023 7:25:38 PM", Lifecycle Status=Active, Minimum Order=1, Number of Terminations=2, Package / Case="0402 (1005 Metric)", Packaging=TapeAndReel, Part Number=CRCW040210K0DHEDP, Part Status=Active, PartId=5057, Price=0.03, Series=CRCW-P, Size / Dimension="0.039\" L x 0.020\" W (1.00mm x 0.50mm)", Supplier 1=DigiKey
R20: library part ERJ-6CWDR027V, "0805 CURRENT SENSING RES. 0.5%,", Device Package="0805 (2012 Metric)", Manufacturer="Panasonic Electronic Components", Operating Temperature="-55°C ~ 125°C", Power (Watts)="0.5W, 1/2W", Ratings=AEC-Q200, Resistance="27 mOhms", Supplier Device Package=0805, Supplier Part Number 1=P124411CT-ND, Temperature Coefficient=±75ppm/°C, Tolerance=±0.5%, ComponentLink1Description=Datasheet, ComponentLink1URL=https://industrial.panasonic.com/cdbs/www-data/pdf/RDN0000/AOA0000C313.pdf, ComponentLink2Description="DigiKey Link", ComponentLink2URL=https://www.digikey.com/en/products/detail/panasonic-electronic-components/ERJ-6CWDR027V/10261704, Composition="Thick Film", Features="Automotive AEC-Q200, Current Sense", Height - Seated (Max)="0.030\" (0.75mm)", LastUpdated="10/1/2023 7:53:58 PM", Lifecycle Status=Active, Minimum Order=1, Number of Terminations=2, Package / Case="0805 (2012 Metric)", Packaging=TapeAndReel, Part Number=ERJ-6CWDR027V, Part Status=Active, PartId=40402, Price=0.13, Series=ERJ-6CW, Size / Dimension="0.081\" L x 0.051\" W (2.05mm x 1.30mm)", Supplier 1=DigiKey
TP1 TP2 TP3 TP4 TP5 TP6 TP10 TP11 TP12 TP13 TP14 TP15: library part "TP 0.8mm", "Test point"
TP7 TP8 TP9: "Test point"
U1: library part PIC32MZ0512EFE064-I/PT, "32-bit Microcontrollers - MCU 32-BIT MCU 512KB FL 128KB RAM, No Crypto", Package="TQFP-64 Microchip", Availability=Unavailable, MF=Microchip, MP=PIC32MZ2048EFG064T-I/PT, Price=None, SnapEDA_Link=https://www.snapeda.com/parts/PIC32MZ2048EFG064T-I/PT/Microchip/view-part/565997/?ref=snap
U2_1 U2_2 U2_3 U2_4 U2_5 U2_6 U2_7 U2_8 U2_9 U2_10 U2_11 U2_12 U2_13 U2_14 U2_15 U2_16 U2_17 U2_18 U2_19 U2_20 U2_21 U2_22 U2_23 U2_24 U2_25 U2_26 U2_27 U2_28 U2_29 U2_30 U2_31 U2_32 U2_33 U2_34 U2_35 U2_36 U2_37 U2_38 U2_39 U2_40 U2_41 U2_42 U2_43 U2_44 U2_45 U2_46 U2_47 U2_48 U2_49 U2_50 U2_51 U2_52 U2_53 U2_54 U2_55 U2_56 U2_57 U2_58 U2_59 U2_60 U2_61 U2_62 U2_63 U2_64 U2_65 U2_66 U2_67 U2_68 U2_69 U2_70 U2_71 U2_72 U2_73 U2_74 U2_75 U2_76 U2_77 U2_78 U2_79 U2_80 U2_81 U2_82 U2_83 U2_84 U2_85 U2_86 U2_87 U2_88 U2_89 U2_90 U2_91 U2_92 U2_93 U2_94 U2_95 U2_96: library part APA-102-1515, "8-pin type LED three-color RGB Dimming control", Package="SMD-8 iPixel LED Light Co.", Availability=Unavailable, MF="iPixel LED Light Co.", MP=APA-102-2020-256-8, Price=None, SnapEDA_Link=https://www.snapeda.com/parts/APA-102-2020-256-8/iPixel%20LED%20Light%20Co./view-part/698331/?ref=snap
U3: "2x Buffer"
U4: "Buck, Adj, 5A"
U5_1 U5_2: library part TLV74033PDQNR
U6: "Low side Gate Driver 2x"
U7: library part INA2180, "Current sense amplifier 2 channel"
U8: "Quad SPI FLASH 16MB"
Y1: library part ASD3-27.000MHZ-EC-T, "XTAL OSC XO 27.0000MHZ HCMOS SMD", Current - Supply (Max)=4mA, Frequency Stability=±50ppm, Manufacturer="Abracon LLC", Operating Temperature="-20°C ~ 70°C", Package / Case="4-SMD, No Lead", Supplier Part Number 1=535-9608-1-ND, Voltage - Supply=1.8V, Base Resonator=Crystal, ComponentLink1Description=Datasheet, ComponentLink1URL=https://abracon.com/Oscillators/ASDseries.pdf, ComponentLink2Description="DigiKey Link", ComponentLink2URL=http://digikey.com/product-detail/en/abracon-llc/ASD3-27.000MHZ-EC-T/535-9608-1-ND/1237075, Frequency=27MHz, Function=Enable/Disable, Height - Seated (Max)="0.039\" (1.00mm)", LastUpdated="9/14/2022 8:37:45 AM", Lifecycle Status=Active, Minimum Order=1, Mounting Type="Surface Mount", Output=HCMOS, Packaging=TapeAndReel, Part Number=ASD3-27.000MHZ-EC-T, Part Status=Active, PartId=4, Price=1.74, Series=ASD, Size / Dimension="0.098\" L x 0.079\" W (2.50mm x 2.00mm)", Supplier 1=DigiKey, Type="XO (Standard)"

## Free pads (board coordinates)
  oval 0x1.524 hole 3: 2(-6.915,-6.915) 2(-6.915,6.915) 2(6.915,6.915) 2(6.915,-6.915)

## Via types
v1: diameter 0.4, hole 0.3, Top Layer to Bottom Layer, tented both sides, 258 vias
v2: diameter 0.7, hole 0.35, Top Layer to Bottom Layer, tented both sides, 14 vias

## Nets (pads, with @x,y where several pads share a name; then routed paths per layer and width w, separated by ;. In a path a pad name is that pad's centre, name@x,y a point inside that pad or via, vN(x,y) a via of type N, cw(c..) or ccw(c..) an arc to the next point about the centre after c; other vN are vias at no path point)
3V3: C1.2 C2.2 C3.2 C4.2 C5.2 C6.2 C7.2 C10_2.2 C20.2 C27.2 C28.2 C30.2 J1.2 R1.2 R9.2 R11.2 U1.8 U1.19 U1.26 U1.34 U1.39 U1.54 U1.60 U3.5 U5_2.1 U7.8 U8.8 Y1.4 | length 98.4
  5V w0.254: v1(-53.035,-1.55) -53.035,-0.532 -50.85,1.653 -50.85,2.512 -48.735,4.627 -48.735,4.677 ; v1(-48.1,6.49) -48.735,5.855 -48.735,4.677 ; -45.4,4.677 -48.735,4.677 ; -45.398,4.675 -45.165,4.675 ; v1(-45.165,5.85) -45.165,4.675 ; v1(-36.8,5.3) -36.8,4.675 ; v1(-35.05,3.3) -36.425,4.675 -36.8,4.675 ; -45.165,4.675 -36.8,4.675
  GND w0.254: v1(-53.435,-4) -50.031,-4 v1(-48.253,-5.778) -47.781,-6.25 -44.235,-6.25 v1(-43.785,-5.8) -41.985,-4 -39.707,-4 -38.067,-2.36 -35.76,-2.36 v1@-35.75,-2.35
  Bottom Layer w0.128: U5_2.1@-36.59,-2.5 -36.55,-2.46 -36.55,-2.211 -36.55,-2.15
  Bottom Layer w0.254: v1(-61,-7.35) J1.2@-61,-6.268 -61,-5.793 -59.757,-4.55 -56.45,-4.55 ; Y1.4@-54.265,-6.515 -54.34,-6.59 C20.2@-55.5,-6.59 -55.508,-6.598 -56.052,-6.598 -56.45,-6.2 -56.45,-4.55 ; v1(-53.435,-4) -53.417,-3.982 -53.305,-3.982 -53.191,-3.867 -53.191,-3.596 C1.2@-53.035,-3.44 ; v1(-53.035,-1.55) C7.2@-53.035,-0.94 ; R9.2@-52.375,7.75 -49.15,7.75 -48.293,6.893 -48.293,6.663 -48.12,6.49 v1(-48.1,6.49) -48.273,6.317 -48.483,6.317 -48.75,6.05 U1.54@-48.75,4.435 ; U1.34@-51.935,-3.25 -52.693,-3.25 -52.71,-3.267 -52.842,-3.267 -53.015,-3.44 C1.2@-53.035,-3.44 ; U1.39@-51.935,-0.75 -52.693,-0.75 -52.71,-0.767 -52.842,-0.767 -53.015,-0.94 C7.2@-53.035,-0.94 ; v1(-48.253,-5.778) -48.253,-4.438 U1.26@-48.25,-4.435 ; U1.60@-45.75,4.435 -45.747,4.438 -45.747,5.003 -45.333,5.417 -45.333,5.682 v1(-45.165,5.85) C3.2@-45.16,5.85 ; U1.19@-44.75,-4.435 -44.75,-5.425 -44.395,-5.78 C6.2@-44.395,-5.8 v1(-43.785,-5.8) ; U1.8@-43.065,0.25 -41.745,0.25 -41.555,0.06 C2.2@-41.535,0.06 -41.362,-0.113 -40.922,-0.113 -40.323,-0.712 -40.323,-0.827 -40.15,-1 -38.871,-1 -37.894,-1.977 -37.338,-1.977 -37.104,-2.211 -36.745,-2.211 ; U8.8@-37.175,5.895 -36.961,5.895 -36.868,5.802 -36.868,5.407 -36.8,5.34 v1(-36.8,5.3) ; U8.8@-36.8,6.011 -36.651,6.16 C30.2@-36,6.16 ; R11.2@-36.75,-1.675 -36.745,-1.68 -36.745,-2.211 ; v1(-35.05,3.3) -35.022,3.272 -34.588,3.272 -34.575,3.259 U7.8@-34.575,3.24 -34.562,3.227 -34.562,2.642 -34.265,2.345 C28.2@-34.265,2.325 ; U3.5@-34.7,-6.1 -34.627,-6.027 -34.227,-6.027 -33.9,-5.7 -33.9,-4.75 C27.2@-34.05,-4.6 ; C27.2@-34.04,-4.6 -34.15,-4.49 -34.15,-3.6 -35.217,-2.533 -35.577,-2.533 -35.899,-2.211 -36.55,-2.211 -36.745,-2.211 ; -56.45,-4.55 -55.562,-4.55 -54.452,-3.44 -54.05,-3.44 ; -54.05,-3.44 C1.2@-53.035,-3.44 ; -54.05,-3.44 -54.05,-1.315 -53.675,-0.94 C7.2@-53.035,-0.94
  other v1: -35.75,-2.36
3V3_ESP: C10_1.2 C23.2 C24.2 R5.2 R15.1 U5.2 U5_1.1 | length 28.2
  Bottom Layer w0.15: U5_1.1@-66.285,7.25 -66.285,7.84
  Bottom Layer w0.254: C24.2@-69.05,9.7 -68.527,9.177 -67.726,9.177 -67.474,8.925 R15.1@-66.55,8.925 -66.55,7.87 ; R5.2@-67.475,5.15 -67.5,5.175 -67.5,7.15 -66.78,7.87 -66.55,7.87 ; -66.285,7.84 -66.255,7.87 ; C10_1.2@-65.85,7.87 -66.255,7.87 ; -66.55,7.87 -66.255,7.87
  Bottom Layer w0.512: U5.2@-86.73,8.5 -86.73,9.758 -86.787,9.815 -86.787,9.927 C23.2@-86.96,10.1 -69.5,10.1 -69.1,9.7 C24.2@-69.05,9.7
5V: C9_1.2 C9_2.2 C50.2 C51.2 C52.2 C53.2 C54.2 C55.2 C56.2 C60.2 C61.2 R18.2 R20.2 TP7.1 U2_1.4 U2_2.4 U2_3.4 U2_4.4 U2_5.4 U2_6.4 U2_7.4 U2_8.4 U2_9.4 U2_10.4 U2_11.4 U2_12.4 U2_13.4 U2_14.4 U2_15.4 U2_16.4 U2_17.4 U2_18.4 U2_19.4 U2_20.4 U2_21.4 U2_22.4 U2_23.4 U2_24.4 U2_25.4 U2_26.4 U2_27.4 U2_28.4 U2_29.4 U2_30.4 U2_31.4 U2_32.4 U2_33.4 U2_34.4 U2_35.4 U2_36.4 U2_37.4 U2_38.4 U2_39.4 U2_40.4 U2_41.4 U2_42.4 U2_43.4 U2_44.4 U2_45.4 U2_46.4 U2_47.4 U2_48.4 U2_49.4 U2_50.4 U2_51.4 U2_52.4 U2_53.4 U2_54.4 U2_55.4 U2_56.4 U2_57.4 U2_58.4 U2_59.4 U2_60.4 U2_61.4 U2_62.4 U2_63.4 U2_64.4 U2_65.4 U2_66.4 U2_67.4 U2_68.4 U2_69.4 U2_70.4 U2_71.4 U2_72.4 U2_73.4 U2_74.4 U2_75.4 U2_76.4 U2_77.4 U2_78.4 U2_79.4 U2_80.4 U2_81.4 U2_82.4 U2_83.4 U2_84.4 U2_85.4 U2_86.4 U2_87.4 U2_88.4 U2_89.4 U2_90.4 U2_91.4 U2_92.4 U2_93.4 U2_94.4 U2_95.4 U2_96.4 U5_1.3 U5_1.4 U5_2.3 U5_2.4 U7.2 | length 121.3
  5V w0.128: v1(-34.05,6.586) -30.386,10.25 19.15,10.25 23.75,5.65 37.7,5.65 40.95,2.4 40.95,-0.5 42.025,-1.575 v1(44.55,-1.575)
  GND w0.45: v1(-67.5,-1.55) v1(-65.5,-1.55) -64.9,-1.55 ; v1(-64.3,5.486) -64.328,5.458 -64.602,5.458 -64.86,5.2 v1(-64.9,5.2) -64.9,-1.55 ; v1(-63.5,-1.55) -64.9,-1.55
  Bottom Layer w0.128: U7.2@-34.075,5.21 -34.075,6.561 v1(-34.05,6.586)
  Bottom Layer w0.15: U5_1.4@-66.285,6.39 -66.285,6.24 -65.825,5.78 -65.635,5.78 ; U5_1.3@-65.635,6.39 -65.635,5.78 ; v1(-64.9,5.2) C9_1.2@-64.9,5.77 ; v1(-64.3,5.486) -64.368,5.486 -64.437,5.555 -64.685,5.555 C9_1.2@-64.9,5.77 ; C9_2.2@-37.99,-3.83 v1(-37.99,-3.85) -37.765,-3.625 -37.765,-3.465 U5_2.3@-37.45,-3.15 -37.713,-2.887 -37.713,-2.763 U5_2.4@-37.45,-2.5 ; -65.635,5.78 C9_1.2@-64.91,5.78 C9_1.2@-64.9,5.77
  Bottom Layer w0.254: v1(-67.5,-1.55) -66.5,-1.55 ; C61.2@-66.5,-0.625 -66.5,-1.55 ; v1(-65.5,-1.55) -66.5,-1.55 ; v1(-59.5,-1.55) C51.2@-59.5,-0.44 ; v1(-41,-6.95) -41,-6.225 R18.2@-40.95,-6.225 ; v1(-17.5,-1.55) -16.5,-1.55 ; C52.2@-16.5,-0.44 -16.5,-1.55 ; v1(-15.5,-1.55) -16.5,-1.55 ; v1(16.5,-1.55) C53.2@16.5,-0.39 ; v1(52.5,-1.575) C56.2@52.5,-0.49 ; v1@62.5,-1.575 C55.2@62.5,-0.44 ; v1(74.5,-1.575) C50.2@74.5,-0.44 ; v1(82.5,-1.575) 82.518,-1.557 82.568,-1.557 83.45,-0.675 C60.2@83.5,-0.675 83.55,-0.675 84.432,-1.557 84.482,-1.557 v1(84.5,-1.575) ; v1(90.5,-1.575) C54.2@90.5,-0.44
  other v1: 44.55,-2.45 46,-2.45 47.5,-2.45 94.5,-1.6 -61.5,-1.575 -9.5,-1.575 46.5,-1.575 48.5,-1.575 50.5,-1.575 54.5,-1.575 56.5,-1.575 58.5,-1.575 60.5,-1.575 62.5,-1.575 64.5,-1.575 66.5,-1.575 68.5,-1.575 70.5,-1.575 72.5,-1.575 76.5,-1.575 78.5,-1.575 80.5,-1.575 86.5,-1.575 88.5,-1.575 92.5,-1.575 -95.5,-1.55 -93.5,-1.55 -91.5,-1.55 -89.5,-1.55 -87.5,-1.55 -85.5,-1.55 -75.5,-1.55 -73.5,-1.55 -57.5,-1.55 -37.5,-1.55 -35.5,-1.55 -33.5,-1.55 -31.5,-1.55 -29.5,-1.55 -27.5,-1.55 -25.5,-1.55 -23.5,-1.55 -21.5,-1.55 -19.5,-1.55 -13.5,-1.55 -11.5,-1.55 -7.5,-1.55 -5.5,-1.55 -3.5,-1.55 -1.5,-1.55 0.5,-1.55 2.5,-1.55 4.5,-1.55 6.5,-1.55 8.5,-1.55 10.5,-1.55 12.5,-1.55 14.5,-1.55 18.5,-1.55 20.5,-1.55 26.65,-1.55 34.5,-1.55